# Altium PCB AUVqk.PcbDoc
Units mm, origin at the board's own origin, x right, y up, seen from the top; angles counter-clockwise.
Board outline 99.57 x 99.57 mm, 4 copper layers (Top Layer, Signal, GND, Bottom Layer), stack 0.415 mm thick; 69 components, 127 nets, 307 pads, 38 vias.
Unrouted connection lines stored in the file: 4.
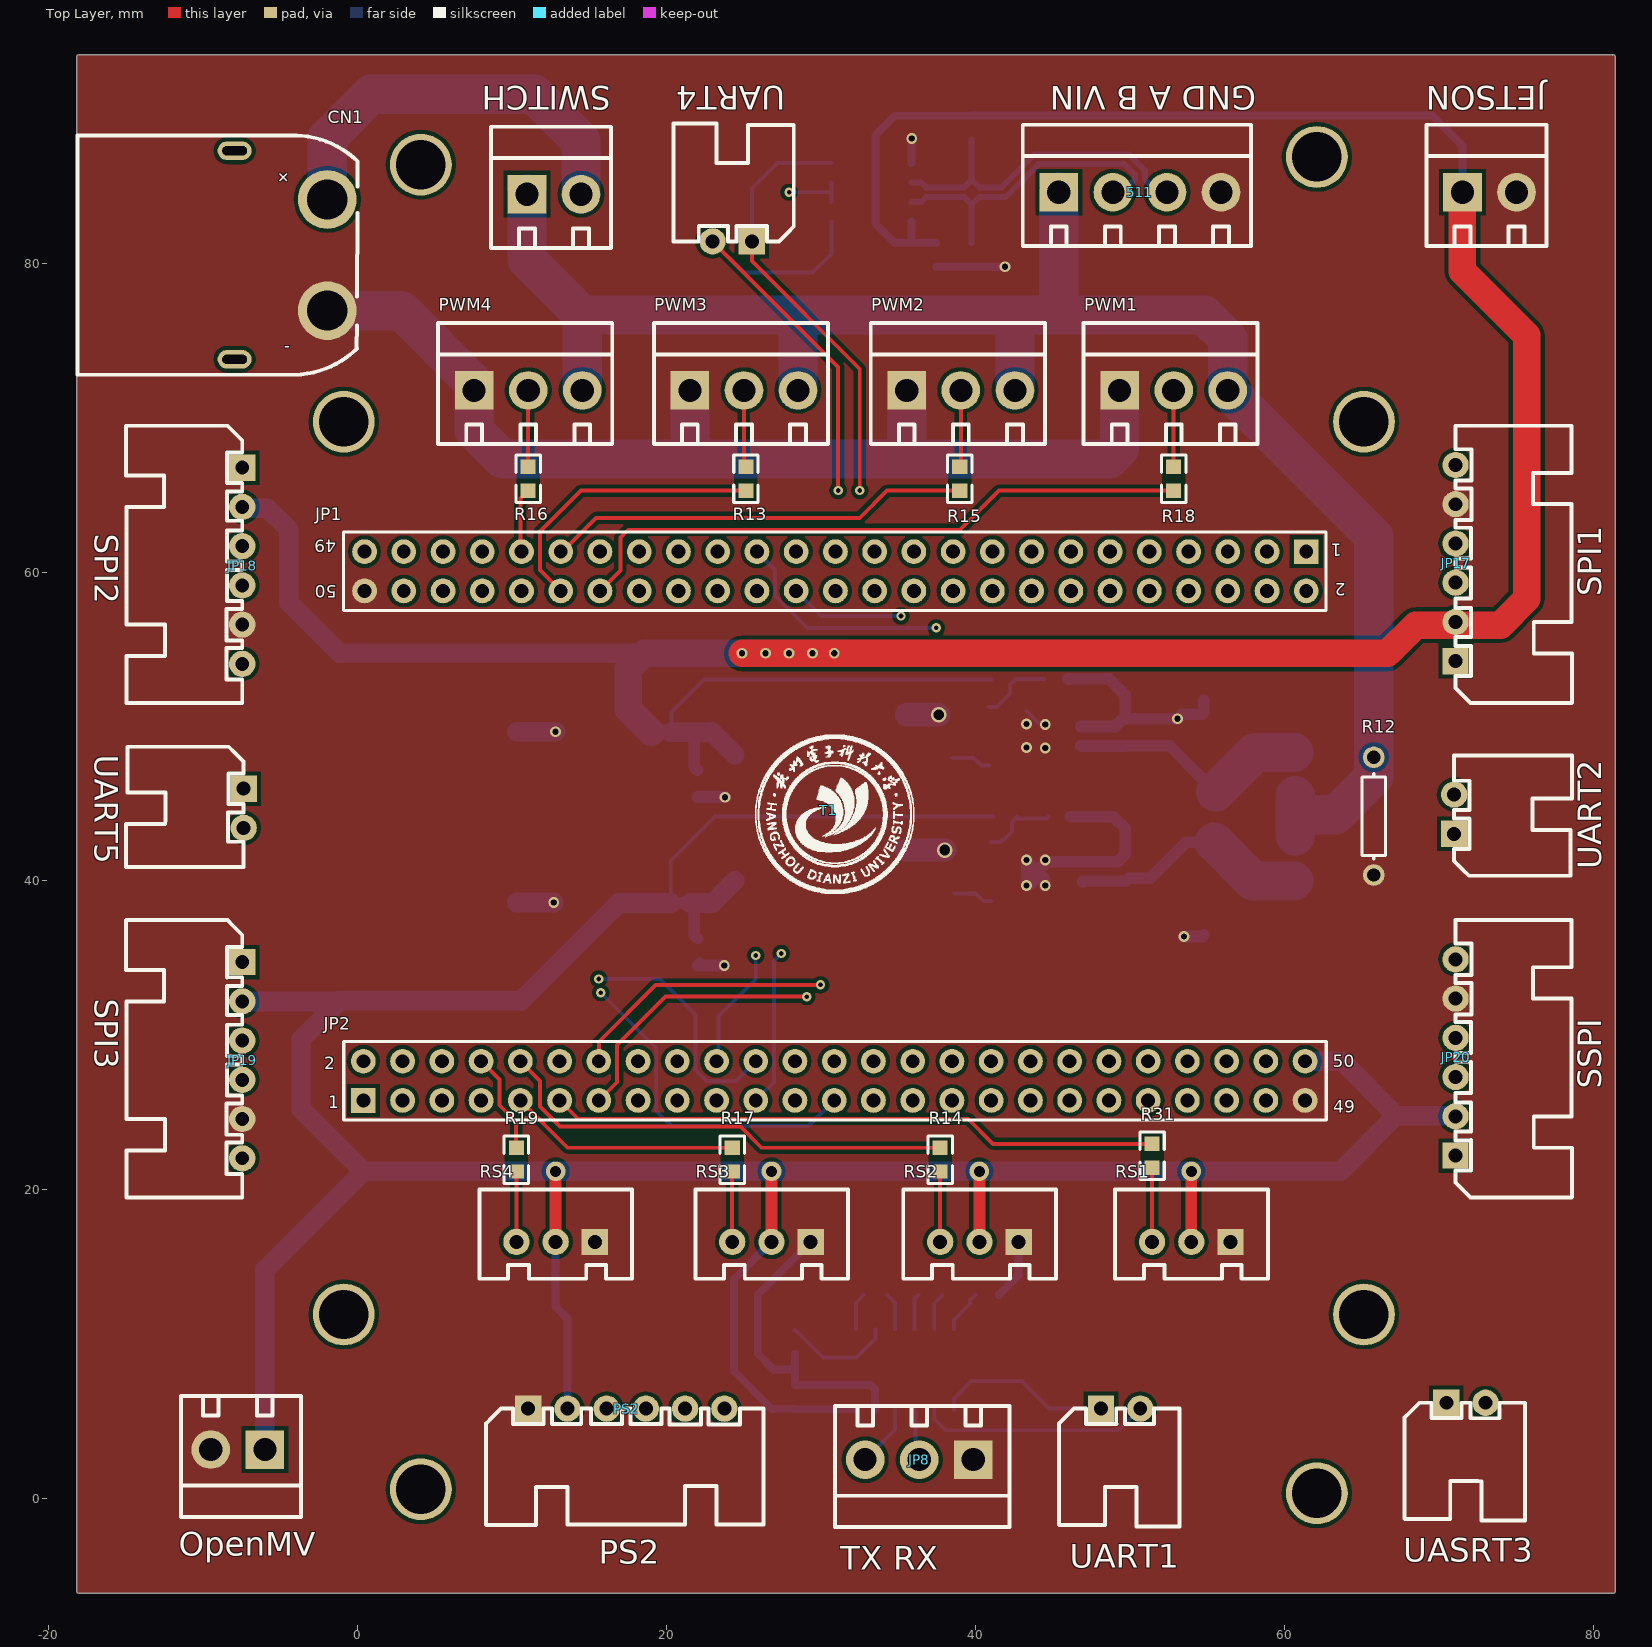
[diagram p0: Top Layer view]
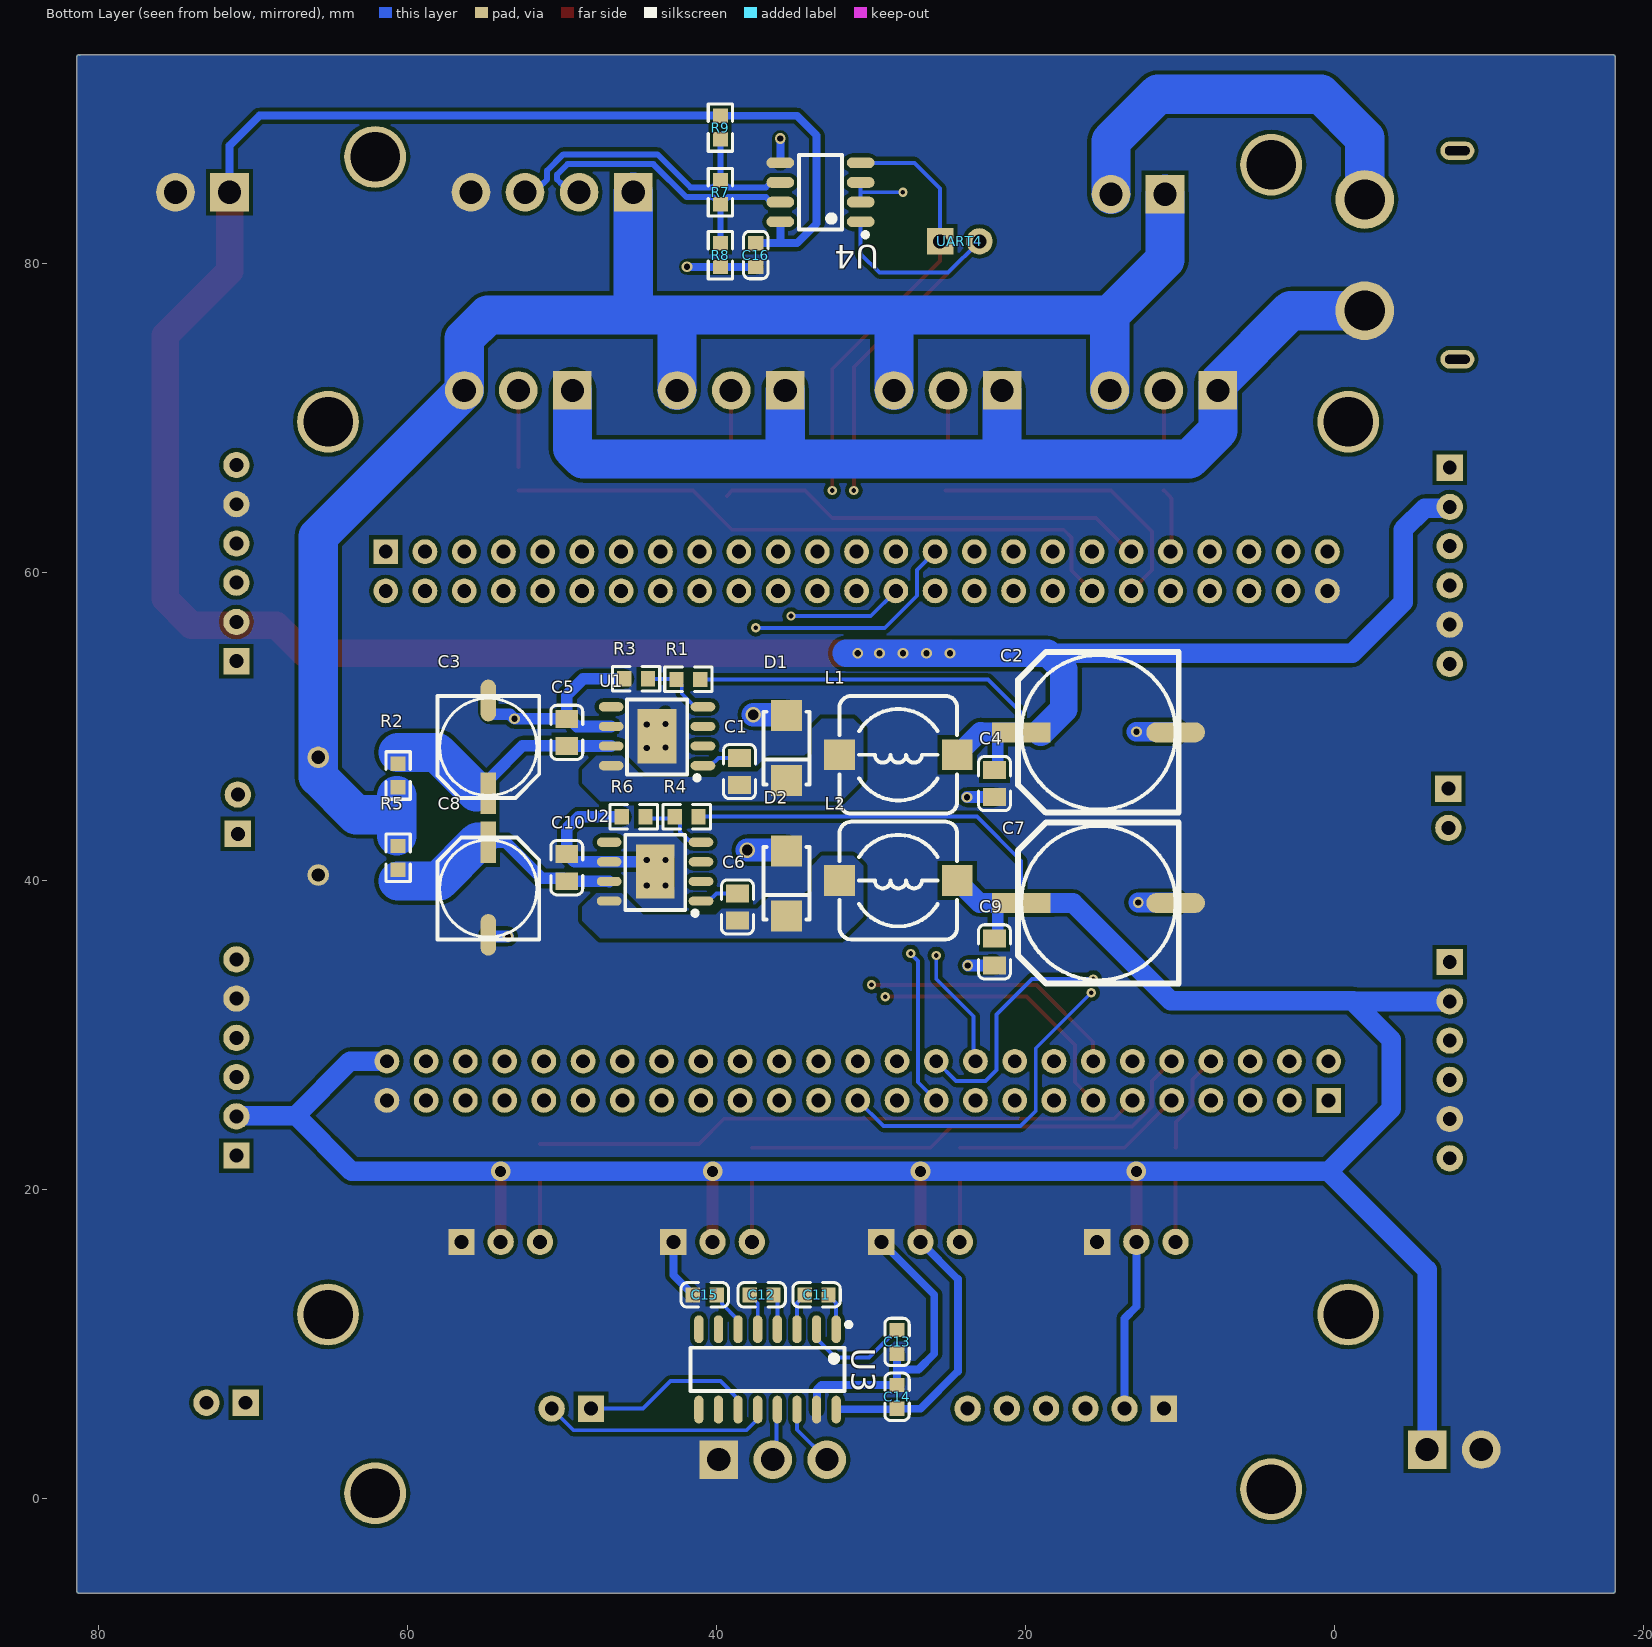
[diagram p1: Bottom Layer view, seen from below]
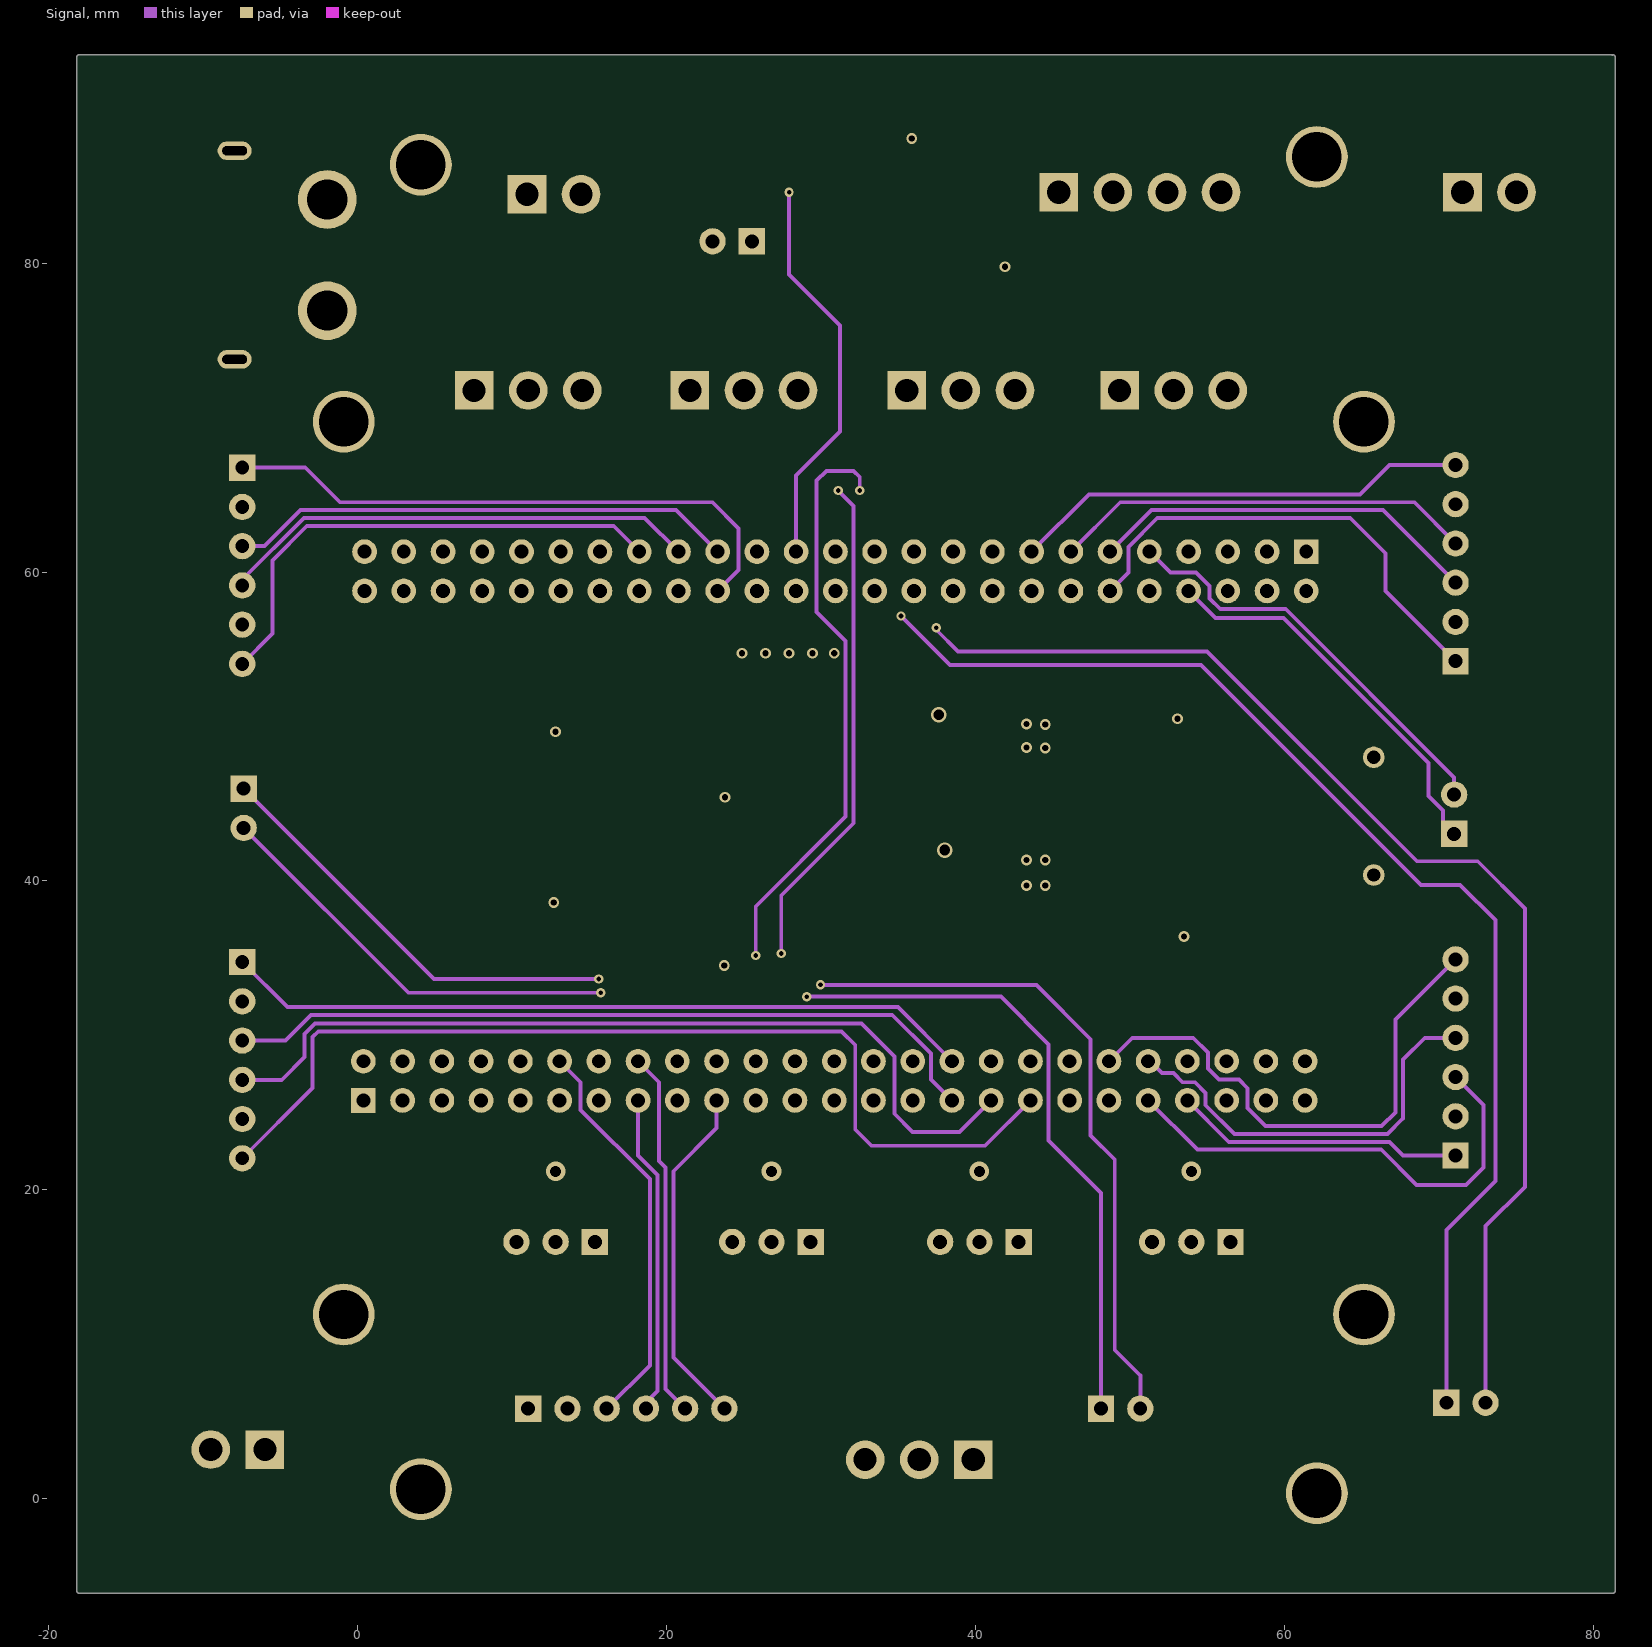
[diagram p2: Signal]
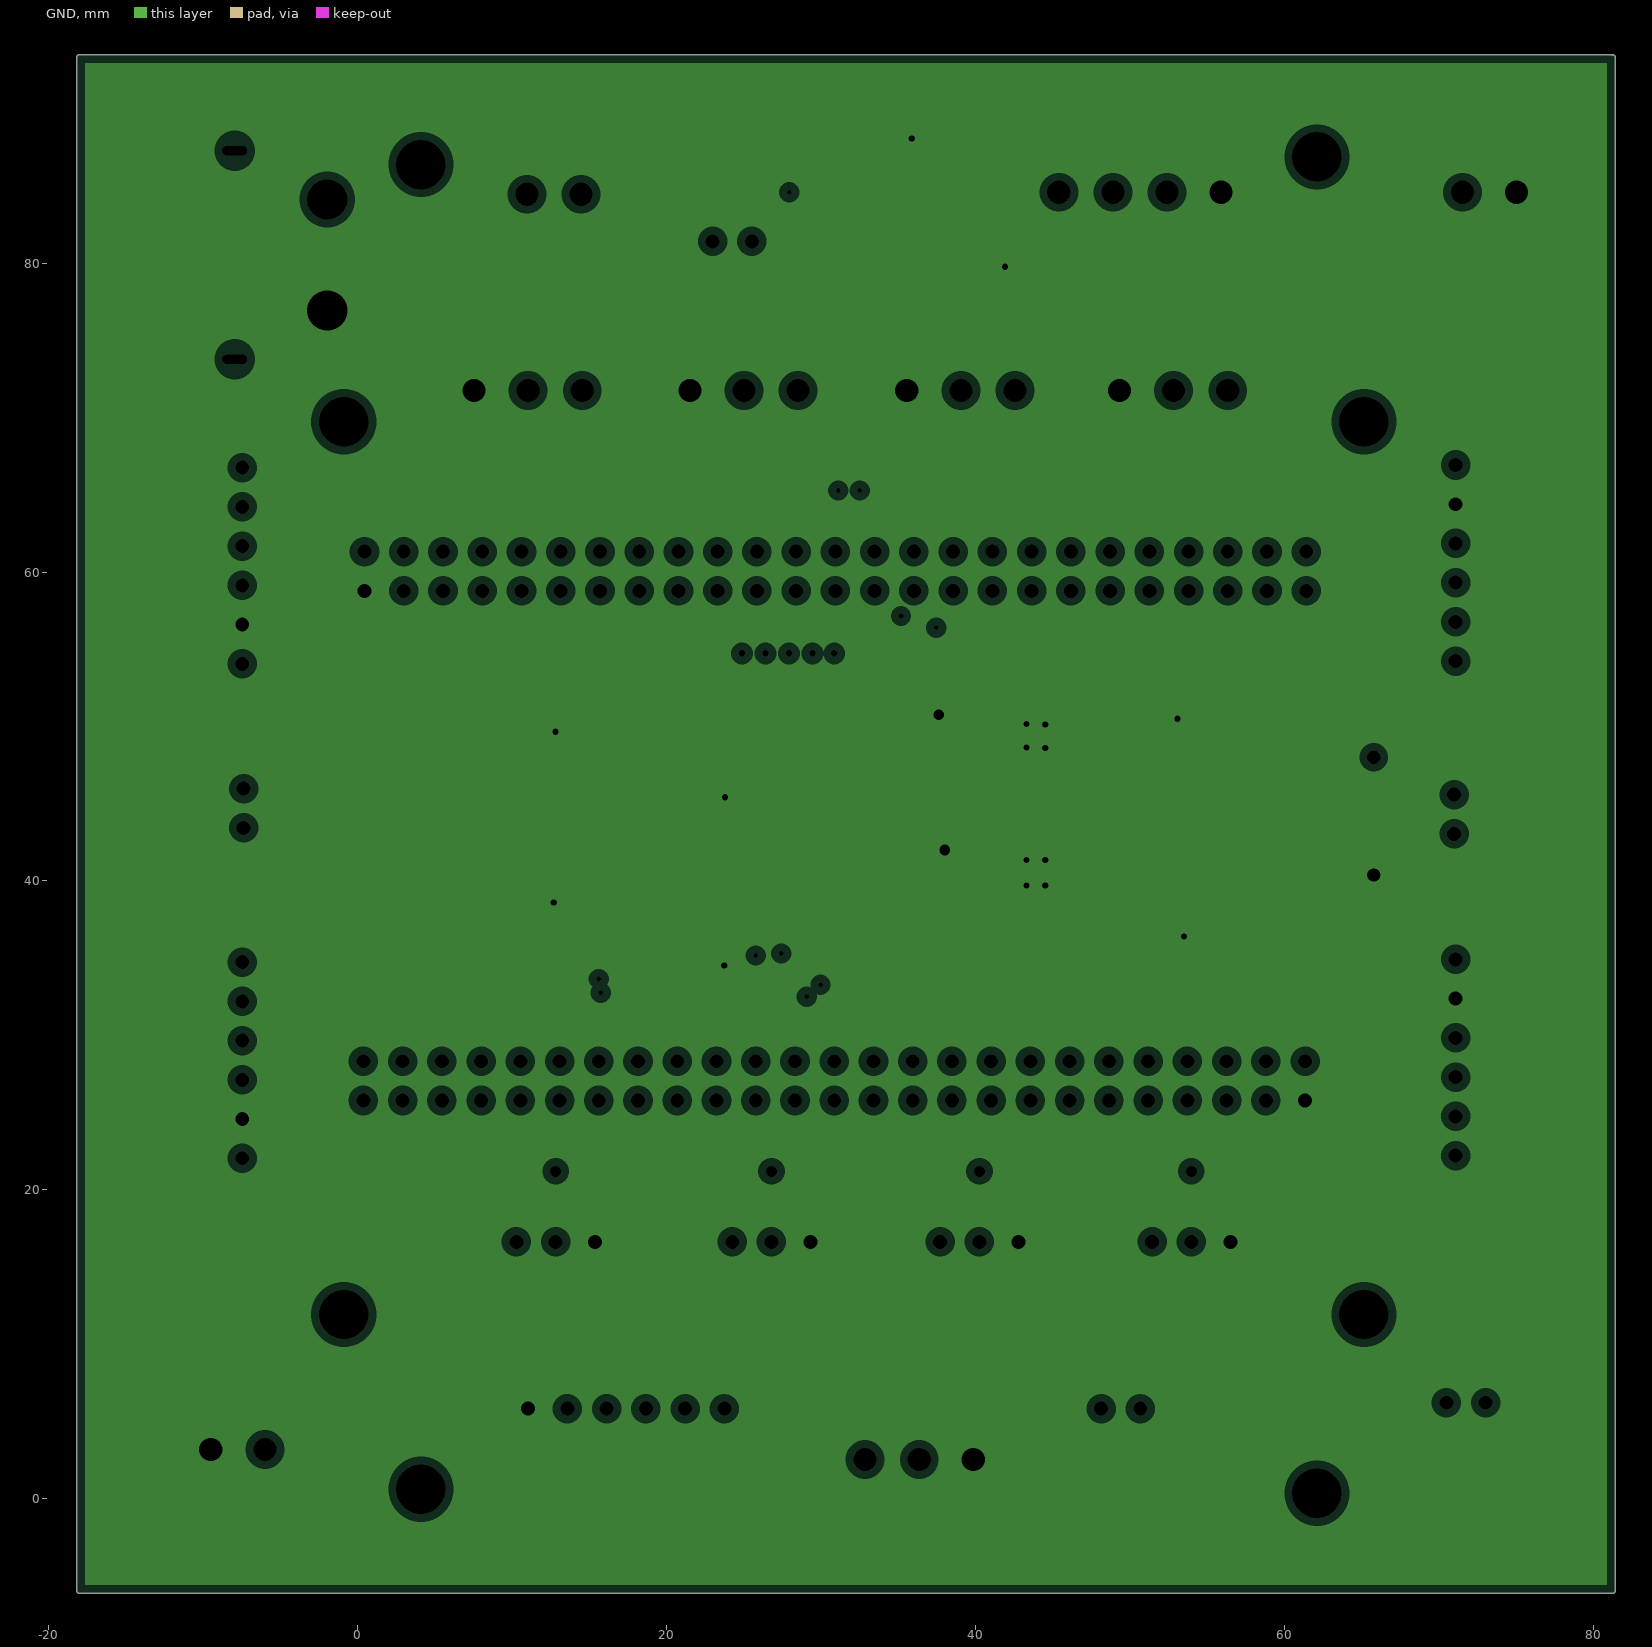
[diagram p3: GND, clearances drawn from the general rule]

## Layer stack, top to bottom
Top Solder: solder mask 0.0102, Solder Resist, Dk 3.5
Top Layer: signal copper 0.0356
Dielectric 2: core 0.1016, FR-4, Dk 4.5
Signal: signal copper 0.035
Dielectric 1: prepreg 0.0711, PP-006, Dk 4.1
GND: plane copper 0.035, net GND
Dielectric 3: core 0.1016, Core-009, Dk 4.5
Bottom Layer: signal copper 0.0356
Bottom Solder: solder mask 0.0102, Solder Resist, Dk 3.5

## Board outline
-18.161,-5.969 ccw(c-18.034,-5.969) -18.034,-6.096 81.28,-6.096 ccw(c81.28,-5.969) 81.407,-5.969 81.407,2.083 81.407,93.345 ccw(c81.28,93.345) 81.217,93.455 ccw(c81.153,93.345) 81.153,93.472 -18.034,93.472 ccw(c-18.034,93.345) -18.161,93.345
cut-out: 56.515,99.949

## Design rules (kind name [scope] priority, off if disabled: settings)
Clearance [All] p1: gap=0.254 ignorepadtopadclearanceinfootprint=FALSE except(0: Arc-Hole Track-Hole SMDPad-Hole THPad-Hole Via-Hole Fill-Hole Poly-Hole Region-Hole Text-Hole)
DiffPairsRouting [All] p1: maxlimit=0.254 minlimit=0.254 mostfreqgap=0.254 toplayer_minwidth=0.381 toplayer_maxwidth=0.381 toplayer_prefwidth=0.381 midlayer1_minwidth=0.381 midlayer1_maxwidth=0.381 midlayer1_prefwidth=0.381 bottomlayer_minwidth=0.381 bottomlayer_maxwidth=0.381 bottomlayer_prefwidth=0.381 maxuncoupledlength=12.7
HoleSize [All] p1: absolutevalues=TRUE maxlimit=10 minlimit=0.025 maxpercent=80.000 minpercent=20.000
HoleToHoleClearance [All] p1: gap=0 allowstackedmicrovias=TRUE
MinimumSolderMaskSliver [All] p1: minsoldermaskwidth=0
PlaneClearance [All] p1: clearance=0.508
PlaneConnect [All] p1: planeconnectstyle=Direct reliefexpansion=0.508 reliefentries=4 reliefconductorwidth=0.254 reliefairgap=0.254
PolygonConnect [All] p1: connectstyle=Direct reliefconductorwidth=0.254 reliefentries=4 polygonreliefangle="90 Angle" airgapwidth=0.254
RoutingVias [All] p1: holewidth=0.4 width=0.7 viastyle="Through Hole" minholewidth=0 minwidth=0 maxholewidth=10 maxwidth=10
SilkToSilkClearance [All] p1: silktosilkclearance=0
SilkToSolderMaskClearance [IsPad] p1: minsilkscreentomaskgap=0 clearancetoexposedcopper=TRUE
SolderMaskExpansion [All] p1: expansion=0.102
Width [All] p1: maxlimit=2.54 minlimit=0.254 preferedwidth=0.254 minimp=50.000000 maximp=50.000000 favimp=50.000000
22 further rules are at their usual default settings.

## Classes and differential pairs
component class Sheet2: CN1 Jetson OpenMV PWM1 PWM2 PWM3 PWM4 R13 R14 R15 R16 R17 R18 R19 R31 RS1 RS2 RS3 RS4 T1 UART1 UART2 UART4 UART5 UASRT3
component class Sheet1: 511 C1 C2 C3 C4 C5 C6 C7 C8 C9 C10 C11 C12 C13 C14 C15 C16 D1 D2 JP1 JP2 JP8 JP17 JP18 JP19 JP20 L1 L2 PS2 R1 R2 R3 R4 R5 R6 R7 R8 R9 R12 SWITCH U1 U2 U3 U4
differential pair 485: +485_P -485_N

## Components (designator, comment, footprint, x,y, rotation, side; value= is the part's Value field where it differs from the comment)
511 "HDR-1X4" KF350-4P 50.65,84.582 r0 top
C1 "10nF (103) 10% 50V" 0805_C 38.521,47.082 r270 bottom
C2 "220uF/50V" "CT 10*13 - C" 15.28,49.622 r0 bottom
C3 "10uF/50V" "CT 6*6 - V" 54.777,48.683 r270 bottom
C4 "22nF (223) 10% 50V" 0805_C 22.011,46.306 r90 bottom
C5 "22nF (223) 10% 50V" 0805_C 49.697,49.622 r270 bottom
C6 "10nF (103) 10% 50V" 0805_C 38.648,38.319 r270 bottom
C7 "220uF/50V" "CT 10*13 - C" 15.28,38.573 r0 bottom
C8 "10uF/50V" "CT 6*6 - V" 54.777,39.512 r90 bottom
C9 "22nF (223) 10% 50V" 0805_C 22.011,35.412 r90 bottom
C10 "22nF (223) 10% 50V" 0805_C 49.697,40.859 r270 bottom
C11 "100nF" 0603_C 33.528,13.208 r180 bottom
C12 "100nF" 0603_C 37.084,13.208 r0 bottom
C13 "100nF" 0603_C 28.321,10.16 r270 bottom
C14 "100nF" 0603_C 28.321,6.604 r90 bottom
C15 "100nF" 0603_C 40.767,13.208 r0 bottom
C16 "100nF (104) 10% 50V" 0603_C 37.465,80.518 r270 bottom
CN1 "XT60PW-M" CONN-TH_XT60PW-M -4.953,80.518 r0 top
D1 "SS54" SMA(DO-214AC)_S1 35.473,48.606 r90 bottom
D2 "SS54" SMA(DO-214AC)_S1 35.473,39.843 r90 bottom